# Allegro board 2522-db-vfbga86_vD.brd
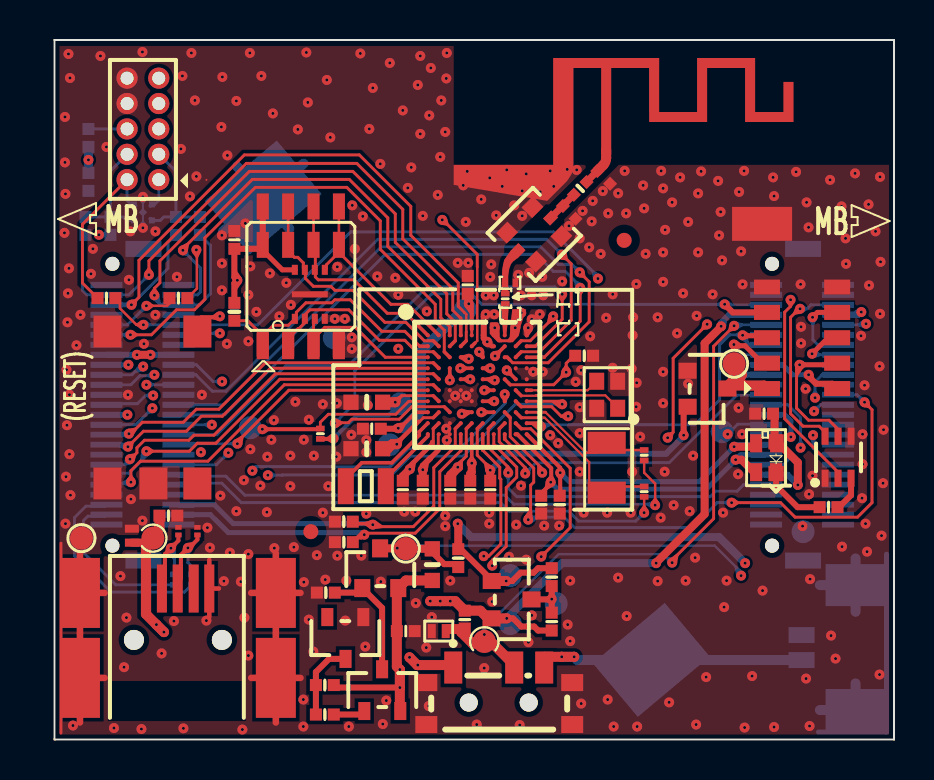
[diagram p0: board, top side]
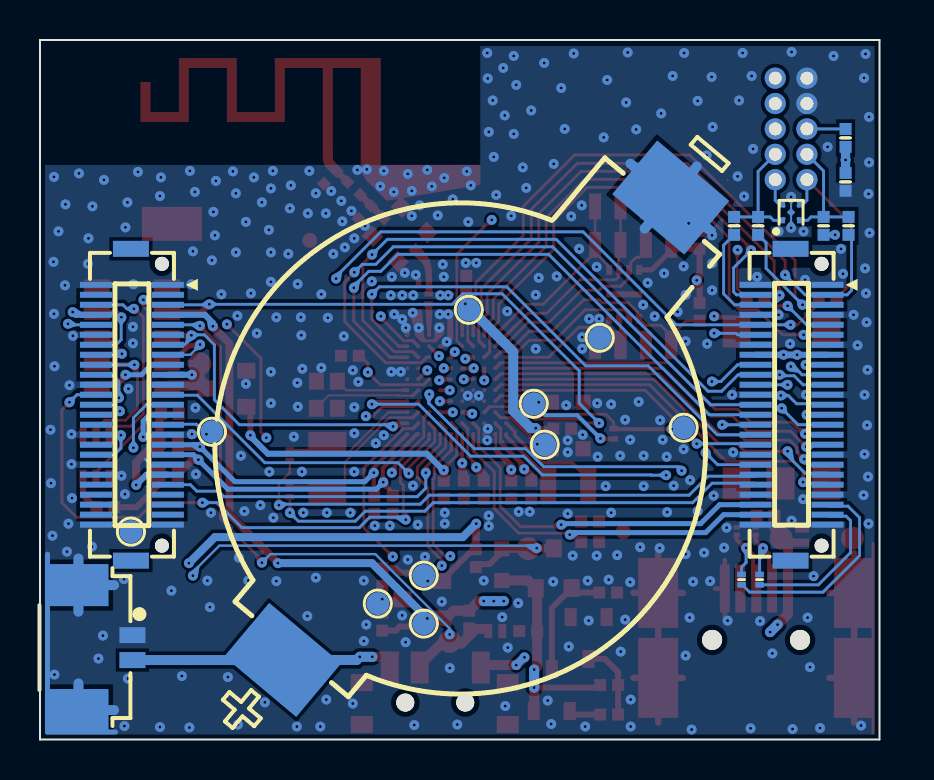
[diagram p1: board, bottom side, seen from below]

Outline 42 x 35 mm; copper layers: TOP, L2_INT1, L3_INT2, BOTTOM. Coordinates in mm from the lower left corner of the outline.
Outline path: 0,35 0,0 42,0 42,35 0,35

## Design rules (mm)
net group USB: nets USBM USBP

## Placement (name value [footprint] x y rotation side)
ANT1  Ant_ifa-ss2r  [ANT_IFA-SS2R]  26.6 28.5 0 top
BT1  NP  [BU2032SM-BT-GTR]  20.15 15.55 220 bottom
C1  100nF  [C1005]  9 25 270 top
C2  4.7uF  [C1005]  19.8 12.5 90 top
C3  4.7uF  [C1005]  21.8 12.5 90 top
C4  22uF  [C1608]  15.62 14.55 0 top
C5  22uF  [C1608]  15.62 16.88 0 top
C6  10uF  [C1005]  15.88 15.55 0 top
C7  10uF  [C1005]  17.43 12.5 90 top
C8  4.7uF  [C1005]  20.8 12.5 90 top
C9  10uF  [C1005]  20.68 22.75 270 top
C11  4.7uF  [C1005]  35.5 16.3 0 top
C12  4.7uF  [C1005]  18.43 12.5 90 top
C13  2.2UF  [C1005]  17.57 5.42 180 top
C14  NP  [C1005]  5.7 11.2 180 top
D1  NP  [LTST-C19HE1WT]  35.6 14.1 90 top
D2  ACPDQC24VE-HF  [D1005]  3.88 10.2 90 top
D3  D5V0P4B5LP08-7  [TVS_D5V0P4B5LP08]  4.42 26.38 90 bottom
D4  BZX84C5V6-7-F  [SOT95P290X130-3N]  14.55 5.12 180 top
D5  BAT54CLT1G  [SOT95P240X100-3N]  22.82 7 270 top
D6  ACPDQC24VE-HF  [D1005]  19.23 5.42 180 top
D7  ESD206B102ELSE6327XTSA1-EOL  [TLSP-2-3]  7.15 10.43 90 top
D8  ESD206B102ELSE6327XTSA1-EOL  [TLSP-2-3]  6.2 10.43 90 top
D9  150060RS75000  [LED1608]  36.1 14.1 90 top
J1  10132798-052100LF  [10132798-05XX]  4.4 16.75 270 bottom
J2  10132798-052100LF  [10132798-05XX]  37.4 16.75 270 bottom
J3  67503-1020  [USB_67503-1020]  6.17 4.92 270 top
J4  Jtag_Conn_2x5_1mm27  [PAD_127_2X05_OTH]  4.42 30.55 90 top
J5  NP  [SKT_623310235321-NP]  37.4 20.1 90 top
J6  53261-0271  [MOLEX_532610271]  39.33 4.62 270 bottom
J7  MM8130-2600RB8  [RF_CON_MM8130-2600]  24 25.27 135 top
K2  FSM2JELGELTR  [SKHMQLE010]  4.95 16.61 270 top
L1  470nH  [L2016]  15.57 12.68 180 top
NOREF  -  []  0 35 0 top
NOREF#2  -  []  0 0 90 top
Q1  DMN63D8LDWQ-7  [SOT65P210X110-6N]  39.2 14.12 90 top
Q2  DMP3099L-7  [SOT915P290X110-3N]  16.3 8.47 0 top
Q4  DMP3099L-7  [SOT915P290X110-3N]  32.58 17.55 270 top
Q5  BC807-25_215  [SOT95P290X130-3N]  16.4 2.42 0 top
R1  0.1  [R1005]  20.52 6 270 top
R2  0.1  [R1005]  20.2 9.07 270 top
R3  0  [R1005]  6.2 22.09 0 top
R4  0  [R1005]  2.6 22.09 180 top
R5  NP  [R0603MM]  29.5 12.4 90 top
R6  NP  [R0603MM]  29.5 14.22 90 top
R7  NP  [R0603MM]  6.9 8 270 bottom
R8  NP  [R0603MM]  6 8 270 bottom
R9  NP  [R1608]  18.9 8.75 270 top
R10  0  [R1005]  2.8 25.7 90 bottom
R11  0  [R1005]  7.28 25.7 270 bottom
R12  NP  [R1005]  1.55 25.7 90 bottom
R13  NP  [R1005]  6.08 25.7 270 bottom
R14  NP  [R1005]  24.88 8.12 90 top
R15  10.0k  [R1005]  9 21.4 90 top
R16  NP  [R1005]  24.88 5.9 270 top
R17  560  [R1005]  38.73 11.62 180 top
R18  10.0k  [R1005]  13.57 7.35 0 top
R20  4.7k  [R1005]  1.7 30.1 90 bottom
R21  470k  [R1005]  1.7 27.9 90 bottom
R22  2.2k  [R1005]  13.53 2.73 0 top
R23  4.7k  [R1005]  13.53 1.25 180 top
R24  10.0k  [R1005]  26.5 19.2 180 top
R25  0  [R1005]  25.27 11.75 90 top
R26  0  [R1005]  24.35 11.75 90 top
R27  NP  [R1005]  14.47 9.88 180 top
R28  NP  [R1005]  14.47 10.9 180 top
R29  0  [R0603MM]  13.3 15.3 270 top
SW1  -  [SW_MA12R_TR]  22.15 1.8 0 top
TP1  V18  [TP_1150U]  9.8 15.6 180 bottom
TP3  VBUS  [TP_1150U]  17.57 9.55 0 top
TP4  V30x  [TP_1150U]  34 18.8 0 top
TP5  V18  [TP_1150U]  16.75 14.75 180 bottom
TP6  V18P  [TP_1150U]  17.3 16.8 180 bottom
TP7  V14  [TP_1150U]  20.55 21.5 180 bottom
TP8  V12  [TP_1150U]  33.4 15.4 180 bottom
TP9  VBAT  [TP_1150U]  21.5 4.91 0 top
TP10  FIDUCIAL  [FID_750]  28.5 24.98 0 top
TP11  FIDUCIAL  [FID_750]  12.82 10.4 0 top
TP12  GND  [TP_1150U]  14 20.1 180 bottom
TP13  GND  [TP_1150U]  1.35 10.07 0 top
TP14  GND  [TP_1150U]  37.45 10.4 180 bottom
TP15  VBUS_IN  [TP_1150U]  4.92 10.07 0 top
TP16  VBATn  [TP_1150U]  22.8 5.8 180 bottom
TP17  VBUSn  [TP_1150U]  22.8 8.2 180 bottom
TP18  VLED  [TP_1150U]  25.1 6.8 180 bottom
TP19  -  [ESD_WARNING_LABEL]  7.6 28 0 top
TP20  TP_RCW-0C  [TP3216]  35.4 25.8 0 top
U1  DA14695-VFBGA86  [BGA86_P055_6X6MM]  21.15 17.75 0 top
U2  MX25U3235FM2I-10G  [SOIC127P790X195-8N]  12.32 23.18 90 top
U2X  NP  [SON50P200X300X55-9M]  12.78 22.27 90 top
U2Y  NP  [SOIC127P600X175-8N]  12.32 22.27 90 top
Y1  32.0000MHZ  [XTAL4P20X16]  27.65 17.25 90 top
Y2  32.768KHZ  [XTAL_ABS07]  27.62 13.6 270 top
Z1  6.8nH  [Z1005]  26.3 27.57 45 top
Z2  2.0pF  [Z1005]  25.75 26.38 135 top
Z3  0.60pF  [Z1005]  27.48 28.12 135 top
Z4  0  [R0603MM]  22.55 22.05 90 top
Z5  NP  [C0603MM]  22.8 21.3 180 top
Z6  NP  [C0603MM]  22.8 22.85 180 top

## Library data of the parts
ANT1 = ANTENNA_IFA
BT1 = BATTERY_2pin: User Part Number: NP.BU2032SM-BT-GTR
C1-C9 C11-C14 Z2 Z3 Z5 Z6 = C
D1 = LED_SIDE_RGB
D2 D6-D8 = TVS_Protection
D3 = D5V0P4B5LP08-7
D4 = DIODE ZENER31
D5 = BAT54CL
D9 = LED
J1 J2 = CONN SOCKET 25x2/SM
J3 = USBminiB_6750310
J4 = Jtag_Conn_2x5_1mm27
J5 = CONN SOCKET 05X2
J6 = HDR_1x2pin_1.25mm
J7 = MM8130-2600
K2 = SKHMQLE010
L1 Z1 = INDUCTOR
Q1 = DMN63D8LDW
Q2 Q4 = MOSFET-P_DMP3130L7
Q5 = Trans.PNP
R1-R18 R20-R29 Z4 = R
SW1 = SW_MA12R_TR
TP1 TP3-TP18 = TESTPOINT
TP19 = ESD_WARNING_LABEL
TP20 = TestPoint_Mech
U1 = 69x_bga86
U2 = MX25U3235FM2I-10G
U2X = MX25R2035FZUIL0: Tolerance: TOL.
U2Y = MX25R2035FM1IH0
Y1 = xtal_4pin: User Part Number: XRCGB32M000F1H00R0
Y2 = CRYSTAL

## Footprints (pads in the part's own frame, mm; a bottom-side part is the same pattern mirrored in y, then rotated)
10132798-05XX
  rect 0.8x1.8 smd: (-7.8,-0.05) (7.8,-0.05)
  round 0.7 hole 0.7 unplated: (-7.05,1.5) (7.05,1.5)
  rect 0.3x1.6 smd: 1(-6,1.8) 2(-6,-1.8) 3(-5.5,1.8) 4(-5.5,-1.8) 5(-5,1.8) 6(-5,-1.8) 7(-4.5,1.8) 8(-4.5,-1.8) 9(-4,1.8) 10(-4,-1.8) 11(-3.5,1.8) 12(-3.5,-1.8) 13(-3,1.8) 14(-3,-1.8) 15(-2.5,1.8) 16(-2.5,-1.8) 17(-2,1.8) 18(-2,-1.8) 19(-1.5,1.8) 20(-1.5,-1.8) 21(-1,1.8) 22(-1,-1.8) 23(-0.5,1.8) 24(-0.5,-1.8) 25(0,1.8) 26(0,-1.8) 27(0.5,1.8) 28(0.5,-1.8) 29(1,1.8) 30(1,-1.8) 31(1.5,1.8) 32(1.5,-1.8) 33(2,1.8) 34(2,-1.8) 35(2.5,1.8) 36(2.5,-1.8) 37(3,1.8) 38(3,-1.8) 39(3.5,1.8) 40(3.5,-1.8) 41(4,1.8) 42(4,-1.8) 43(4.5,1.8) 44(4.5,-1.8) 45(5,1.8) 46(5,-1.8) 47(5.5,1.8) 48(5.5,-1.8) 49(6,1.8) 50(6,-1.8)
ANT_IFA-SS2R
  round 0.1 smd: 1(1,1) 2(-1.15,0)
BGA86_P055_6X6MM
  round 0.205 smd: A1(-2.475,2.475) A2(-1.925,2.475) A3(-1.375,2.475) A4(-0.825,2.475) A5(-0.275,2.475) A6(0.275,2.475) A7(0.825,2.475) A8(1.375,2.475) A9(1.925,2.475) A10(2.475,2.475) B1(-2.475,1.925) B2(-1.925,1.925) B3(-1.375,1.925) B4(-0.825,1.925) B5(-0.275,1.925) B7(0.825,1.925) B8(1.375,1.925) B9(1.925,1.925) B10(2.475,1.925) C1(-2.475,1.375) C2(-1.925,1.375) C3(-1.375,1.375) C4(-0.825,1.375) C6(0.275,1.375) C8(1.375,1.375) C9(1.925,1.375) C10(2.475,1.375) D1(-2.475,0.825) D2(-1.925,0.825) D3(-1.375,0.825) D5(-0.275,0.825) D6(0.275,0.825) D9(1.925,0.825) D10(2.475,0.825) E1(-2.475,0.275) E2(-1.925,0.275) E4(-0.825,0.275) E6(0.275,0.275) E8(1.375,0.275) E9(1.925,0.275) E10(2.475,0.275) F1(-2.475,-0.275) F2(-1.925,-0.275) F3(-1.375,-0.275) F4(-0.825,-0.275) F5(-0.275,-0.275) F7(0.825,-0.275) F9(1.925,-0.275) F10(2.475,-0.275) G1(-2.475,-0.825) G2(-1.925,-0.825) G3(-1.375,-0.825) G4(-0.825,-0.825) G5(-0.275,-0.825) G6(0.275,-0.825) G8(1.375,-0.825) G9(1.925,-0.825) G10(2.475,-0.825) H1(-2.475,-1.375) H2(-1.925,-1.375) H3(-1.375,-1.375) H5(-0.275,-1.375) H7(0.825,-1.375) H8(1.375,-1.375) H9(1.925,-1.375) H10(2.475,-1.375) J1(-2.475,-1.925) J2(-1.925,-1.925) J3(-1.375,-1.925) J4(-0.825,-1.925) J5(-0.275,-1.925) J6(0.275,-1.925) J7(0.825,-1.925) J8(1.375,-1.925) J9(1.925,-1.925) J10(2.475,-1.925) K1(-2.475,-2.475) K2(-1.925,-2.475) K3(-1.375,-2.475) K4(-0.825,-2.475) K5(-0.275,-2.475) K6(0.275,-2.475) K7(0.825,-2.475) K8(1.375,-2.475) K9(1.925,-2.475) K10(2.475,-2.475)
BU2032SM-BT-GTR
  rect 4.7x3.5 smd: 1(0,-15.1) 2(0,15.1)
C0603MM
  rect 0.28x0.43 smd: 1(-0.26,0) 2(0.26,0)
C1005
  rect 0.599x0.599 smd: 1(-0.447,0) 2(0.447,0)
C1608
  rect 0.762x0.762 smd: 1(-0.792,0) 2(0.792,0)
D1005
  rect 0.4x0.7 smd: 1(-0.35,0) 2(0.35,0)
ESD_WARNING_LABEL
  round 0.1 smd: 1(0,0)
FID_750
  round 0.75 smd: 1(0,0)
L2016
  rect 0.8x1.8 smd: 1(-1,0) 2(1,0)
LED1608
  rect 0.762x0.762 smd: 1(-0.792,0) 2(0.792,0)
LTST-C19HE1WT
  rect 0.9x0.6 smd: 1(-0.725,-0.5) 2(-0.725,0.5) 3(0.725,0.5) 4(0.725,-0.5)
MOLEX_532610271
  rect 0.8x1.3 smd: 1(-0.6,1.95) 2(0.65,1.95)
  rect 2.1x3 smd: 3(3.15,-0.75) 4(-3.1,-0.75)
PAD_127_2X05_OTH
  round 1.06 hole 0.65: 1(-2.54,-0.792) 2(-2.54,0.792) 3(-1.27,-0.792) 4(-1.27,0.792) 5(0,-0.792) 6(0,0.792) 7(1.27,-0.792) 8(1.27,0.792) 9(2.54,-0.792) 10(2.54,0.792)
R0603MM
  rect 0.28x0.43 smd: 1(-0.26,0) 2(0.26,0)
R1005
  rect 0.599x0.599 smd: 1(-0.447,0) 2(0.447,0)
R1608
  rect 0.762x0.762 smd: 1(-0.792,0) 2(0.792,0)
RF_CON_MM8130-2600
  rect 0.5x0.58 smd: 1(0,1.16) 2(0,-1.16)
  rect 0.75x0.8 smd: 3(-1.025,0.9) 4(1.025,0.9) 5(1.025,-0.9) 6(-1.025,-0.9)
SKHMQLE010
  rect 1.6x1.4 smd: 1(-3.8,2.2) 2(3.8,2.2) 3(-3.8,-2.3) 4(3.8,-2.3) 5(3.8,0)
SKT_623310235321-NP
  rect 0.75x1.3 smd: 1(-2.54,1.755) 2(-2.54,-1.755) 3(-1.27,1.755) 4(-1.27,-1.755) 5(0,1.755) 6(0,-1.755) 7(1.27,1.755) 8(1.27,-1.755) 9(2.54,1.755) 10(2.54,-1.755)
SOIC127P600X175-8N
  rect 1.3x0.6 smd: 1(-2.475,1.905) 2(-2.475,0.635) 3(-2.475,-0.635) 4(-2.475,-1.905) 5(2.475,-1.905) 6(2.475,-0.635) 7(2.475,0.635) 8(2.475,1.905)
SOIC127P790X195-8N
  rect 1.3x0.6 smd: 1(-3.495,1.905) 2(-3.495,0.635) 3(-3.495,-0.635) 4(-3.495,-1.905) 5(3.495,-1.905) 6(3.495,-0.635) 7(3.495,0.635) 8(3.495,1.905)
SON50P200X300X55-9M
  rect 0.5x0.3 smd: 1(-1.225,0.75) 2(-1.225,0.25) 3(-1.225,-0.25) 4(-1.225,-0.75) 5(1.225,-0.75) 6(1.225,-0.25) 7(1.225,0.25) 8(1.225,0.75)
  rect 0.3x1.8 smd: 9(0,0)
SOT65P210X110-6N
  rect 0.85x0.35 smd: 1(-1.05,0.65) 2(-1.05,0) 3(-1.05,-0.65) 4(1.05,-0.65) 5(1.05,0) 6(1.05,0.65)
SOT95P240X100-3N
  rect 0.8x0.9 smd: 1(-0.93,-0.95) 2(0.94,-0.96) 3(-0.01,1.04)
SOT95P290X130-3N
  rect 0.6x0.9 smd: 1(-0.9,-1) 2(0.9,-1) 3(-0.01,1.09)
SOT915P290X110-3N
  rect 0.8x0.9 smd: 1(-0.9,-0.9) 2(0.9,-0.9) 3(-0.01,1.09)
SW_MA12R_TR
  round 0.9 hole 0.9 unplated: (-1.425,0.05) (1.575,0.05)
  rect 0.9x1.6 smd: 1(-2.2,1.8) 2(0.85,1.8) 3(2.35,1.8)
  rect 1.1x0.85 smd: 6(3.75,1.05) 7(3.75,-1.05) 8(-3.55,1.05) 9(-3.55,-1.05)
TLSP-2-3
  rect 0.24x0.32 smd: 1(-0.19,0) 2(0.19,0)
TP3216
  rect 3x1.7 smd: 1(0,0)
TP_1150U
  round 1.15 smd: 1(0,0)
TVS_D5V0P4B5LP08
  custom 0.3x0.3 smd: 1(-0.4,0.45) 2(0.4,0.45) 3(0.4,-0.45) 4(-0.4,-0.45)
  rect 0.3x0.3 smd rot 135: 5(0,0)
USB_67503-1020
  round 1 hole 1 unplated: (-0.059,2.2) (-0.059,-2.2)
  rect 2.4x0.5 smd: 1(-2.63,-1.59) 2(-2.63,-0.8) 3(-2.63,-0.01) 4(-2.63,0.79) 5(-2.63,1.57)
  rect 3.5x2 smd: 6(-2.411,4.9) 9(-2.411,-4.9)
  rect 4x2 smd: 7(1.841,4.9) 8(1.841,-4.9)
XTAL4P20X16
  rect 0.85x0.75 smd: 1(-0.675,-0.525) 2(0.675,-0.525) 3(0.675,0.525) 4(-0.675,0.525)
XTAL_ABS07
  rect 1.1x1.9 smd: 1(-1.25,0) 2(1.25,0)
Z1005
  rect 0.5x0.5 smd: 1(-0.45,0) 2(0.45,0)

## Nets
GND: ANT1.2(GNDANT) BT1.2(NEG) C1.1 C2.1 C3.1 C4.1 C5.1 C6.1 C7.1 C8.1 C9.1 C11.1 C12.1 C13.1 C14.1 D2.2(ANODE) D3.5 D4.1(ANODE) D6.2(ANODE) D7.2(ANODE) D8.2(ANODE) J1.1 J1.2(26) J1.7(4) J1.8(29) J1.13(7) J1.14(32) J1.23(12) J1.24(37) J1.35(18) J1.36(43) J1.43(22) J1.44(47) J1.49(25) J1.50 J2.1 J2.2(26) J2.11(6) J2.12(31) J2.21(11) J2.22(36) J2.31(16) J2.32(41) J2.37(19) J2.38(44) J2.49(25) J2.50 J3.5(GND) J3.6(GND1) J3.7(GND2) J3.8(GND3) J3.9(GND4) J4.8(GND1) J4.10(GND2) J5.9 J5.10 J6.1 J6.3 J6.4 J7.3 J7.4 J7.5 J7.6 K2.3 K2.4 K2.5 Q1.1(S1) Q1.4(S1) Q4.1(G) R18.1 R21.1 R24.1 R25.1 R26.1 R27.2 R28.2 SW1.6 SW1.7 SW1.8 SW1.9 TP12.1 TP13.1 TP14.1 TP19.1 TP20.1 U1.A6(PSUB) U1.A7(RFIOM) U1.A9(RFIOM2) U1.A10(PSUB_RF) U1.B7(ESDN) U1.D9(GND_RF2) U1.D10(GND_RF1) U1.E10(XTAL32MGND) U1.F3(VSSIOQ) U1.F4(VSSIO3) U1.F5(AVS1) U1.G3(VSSIO1) U1.G4(VSSIO2) U1.G5(AVS2) U1.J3(GND_HDR) U1.K3(GND_BUCK) U2.4(GND) U2X.4(GND) U2X.9(PAD) U2Y.4(GND) Y1.2(GND2) Y1.4(GND4) Z2.1 Z3.1 Z5.1 Z6.1
V12: C7.2 J2.29(15) TP8.1 U1.J2(V12)
V14: C6.2 C9.2 J2.25(13) TP7.1 U1.A5(VSUP_RF) U1.H1(V14)
V18: C4.2 J2.27(14) TP5.1 U1.H2(V18)
V18F: C1.2 R15.2 R29.1 TP1.1 U1.G1(V18F) U2.8(VCC) U2X.8(VCC) U2Y.8(VCC)
V18P: C5.2 J2.17(9) J5.2 R29.2 TP6.1 U1.G2(V18P)
V30: C3.2 Q4.2(S) U1.J6(V30)
V30X: J2.19(10) J5.1 Q4.3(D) TP4.1
VBAT: D6.1(CATHODE) J2.9(5) R1.2 SW1.2 TP9.1
VBAT_IN: J1.15(8) J1.16(33) J4.7(VDD) SW1.1
VBATN: C8.2 C12.2 D5.2(K) J2.7(4) R1.1 R16.2 TP16.1 U1.K2(VBAT2) U1.K5(VBAT1)
VBUS: J2.10(30) Q2.3(D) R2.2 R9.1 TP3.1
VBUS_IN: C13.2 C14.2 D2.1(CATHODE) J3.1 Q2.2(S) Q5.2(EMITTER) R9.2 R22.2 TP15.1
VBUSN: C2.2 D5.1(A) J2.8(29) R2.1 R14.2 TP17.1 U1.J5(VBUS)
HDRVM: J1.48(49) R27.1 U1.K4(HDRVM)
HDRVP: J1.46(48) R28.1 U1.J4(HDRVP)
J4_RESET: J4.6(RST) R20.2
LED1: D1.3 J2.33(17) R25.2 U1.K10(LED1)
LED2: D1.2 J2.35(18) R26.2 U1.K9(LED2)
P0_0: J1.31(16) U1.D2(QSPIR_D0/PG3_4/P0_0)
P0_1: J1.41(21) U1.F2(QSPIR_D1/PG4_2/P0_1)
P0_2: J1.34(42) U1.F1(QSPIR_D2/PG4_1/P0_2)
P0_3: J1.37(19) U1.E2(QSPIR_D3/PG3_2/P0_3)
P0_4: J1.39(20) U1.E1(QSPIR_CS/PG3_1/P0_4)
P0_5: J1.33(17) U1.D1(QSPIR_CLK/PG3_3/P0_5)
P0_6: J1.32(41) U1.B10(SD_ADC_GND/P0_6)
P0_7: J1.12(31) U1.B9(NTC_IN/P0_7)
P0_8: J1.10(30) R4.1 U1.D6(SDGP_ADC2/PG4_3/P0_8)
P0_9: J1.9(5) R3.1 U1.B5(SDGP_ADC3/PG4_4/P0_9)
P0_10: J1.4(27) R10.1 U1.A3(M33_SWDIO/P0_10)
P0_11: J1.6(28) R11.2 U1.B3(M33_SWCLK/P0_11)
P0_12: J1.3(2) R12.1 U1.A4(M0_SWDIO/P0_12)
P0_13: J1.5(3) R13.2 U1.B4(M0_SWCLK/P0_13)
P0_14X: J1.45(23) R7.2
P0_15X: J1.47(24) R8.2
P0_16: J1.20(35) U1.C9(SD_ADC_REF/P0_16)
P0_17: J1.26(38) U1.C8(PG2_1/P0_17)
P0_18: J1.22(36) U1.G10(PG2_2/P0_18)
P0_19: J1.19(10) U1.C6(PG2_3/P0_19)
P0_20: J1.17(9) U1.G8(PG2_4/P0_20)
P0_21: J1.21(11) U1.C4(PG1_3/P0_21)
P0_22X: J1.42(46) R5.1
P0_23X: J1.40(45) R6.1
P0_24: J1.27(14) U1.J9(PG1_4/P0_24)
P0_25: J1.38(44) U1.H8(SDGP_ADC1/P0_25)
P0_26: J1.18(34) U1.H7(PG0_1/P0_26)
P0_27: J1.28(39) U1.C10(PG0_2/P0_27)
P0_28: J1.30(40) U1.H5(PG0_3/P0_28)
P0_29: J1.25(13) U1.D5(PG0_4/P0_29)
P0_30: J1.11(6) U1.C3(PG1_1/P0_30)
P0_31: J1.29(15) U1.D3(PG1_2/P0_31)
P1_0: J2.15(8) J5.3 U1.E9(NTC_SUP/P1_0)
P1_1: J2.18(34) J5.4 Q1.5(G1) R24.2 U1.E8(PWM1/P1_1)
P1_2: J2.13(7) J5.5 U1.J10(P1_2)
P1_3: J2.16(33) J5.6 U1.E6(P1_3)
P1_4: J2.5(3) J5.7 U1.H3(P1_4)
P1_5: J2.14(32) J5.8 U1.E4(P1_5)
P1_6: J2.23(12) U1.J8(PWM2/ATM/P1_6)
P1_7: J2.20(35) U1.F7(P1_7)
P1_8: J2.41(21) U1.J7(P1_8)
P1_9: J2.26(38) U1.G9(SDGP_ADC0/ATM/P1_9)
P1_10: J2.24(37) U1.K8(ATM/P1_10)
P1_11: J2.36(43) U1.G6(P1_11)
QSPIF_CLK: U1.A1(QSPIF_CLK) U2.6(SCK) U2X.6(SCLK) U2Y.6(SCK)
QSPIF_CS: R15.1 U1.B1(QSPIF_CS) U2.1(C\S\) U2X.1(\\C\S) U2Y.1(C\S\)
QSPIF_D0: U1.A2(QSPIF_D0) U2.5(SI/SIO0) U2X.5(SI/SIO0) U2Y.5(SI/SIO0)
QSPIF_D1: U1.C2(QSPIF_D1) U2.2(SO/SIO1) U2X.2(SO/SIO1) U2Y.2(SO/SIO1)
QSPIF_D2: U1.C1(QSPIF_D2) U2.3(W\P\/SIO2) U2X.3(\\W\P) U2Y.3(W\P\/SIO2)
QSPIF_D3: U1.B2(QSPIF_D3) U2.7(R\S\T\/HOLD/SIO3) U2X.7(\\R\S\T/SIO3) U2Y.7(R\S\T\/SIO3)
RED: D1.1 D9.1(CATHODE) R17.2
RF1: U1.A8(RFIOP) Z4.1 Z5.2
RF2: J7.1 Z4.2 Z6.2
RF3: J7.2 Z1.1 Z2.2
RSTN: J2.6(28) K2.1 Q1.6(D1) U1.B8(RESETN)
SWCLK: D3.1 J4.3(CLK) R11.1 R13.1
SWDIO: D3.4 J4.4(DIO) R10.2 R12.2
URX: D3.3 J4.2(URX) R4.2
USBM: D8.1(CATHODE) J3.2 R8.1 U1.K7(USBM/P0_15)
USBP: D7.1(CATHODE) J3.3 R7.1 U1.K6(USBP/P0_14)
UTX: D3.2 J4.1(UTX) R3.2
VLED: C11.2 D1.4 D5.3(J) D9.2(ANODE) J2.39(20) R14.1 R16.1 TP18.1
N01591: L1.2 U1.J1(LY)
N17003199: L1.1 U1.K1(LX)
N17049446: U1.F10(XTAL32MM) Y1.3
N17049492: U1.F9(XTAL32MP) Y1.1
N17049864: R5.2 U1.H9(XTAL32KM/P0_22) Y2.2
N17100902: R6.2 U1.H10(XTAL32KP/P0_23) Y2.1
N17115569: BT1.1(POS) J6.2 SW1.3
N17176123: Q1.3(D1) R17.1
N17178360: Q2.1(G) Q5.3(COLLECTOR) R18.2
N17178368: D4.3(CATHODE) R22.1 R23.2
N17180366: Q5.1(BASE) R23.1
N17181323: Q1.2(G1) R20.1 R21.2
N17391632: ANT1.1(FEED) Z1.2 Z3.2

Pads without a net: D4 2; J2 3 4 28 30 34 40 42 43 44 45 46 47 48; J3 4; J4 5 9; K2 2; TP10 1; TP11 1

## Via types
v1: diameter 0.5, hole 0.15, TOP to BOTTOM, 499 vias

## Routing (per net, layer and track width the routed paths; a pad name or vN(x,y) marks a point on that pad's centre or on a via; arc(x,y) is an arc through that point)
GND: length 73.5
  TOP w0.125: U2Y.4 U2.4
  TOP w0.145: 21.48,20.07 21.43,20.12 U1.A6 ; 21.98,20.23 22.25,19.95 22.8,19.95 U1.A9 ; 0.33,9.82 0.33,0.33
  TOP w0.2: v1(21.65,19.9) 21.88,19.68 21.98,19.68 ; U1.A10 23.62,20.52 v1(23.7,20.6)
  TOP w0.225: J3.5 8.23,7.55 ; J3.5 7.75,8.99 ; J3.5 7.75,6.12
  TOP w0.3: v1(21.57,21.27) 21.48,21.18 21.48,20.07 v1(21.65,19.9)
  TOP w0.325: 1.27,5.35 1.27,7.34 ; 1.27,7.34 2.51,7.34 ; 1.27,7.34 1.27,9.32 ; J3.6 12.31,7.34 ; J3.6 11.07,9.32 ; J3.6 11.07,5.35 ; J3.6 9.84,7.34 ; J3.7 12.31,3.08 ; J3.7 9.84,3.08 ; J3.7 11.07,0.85 ; J3.7 11.07,5.32 ; 1.27,3.08 2.51,3.08 ; 1.27,3.08 1.27,5.32 ; 1.27,3.08 1.27,0.85
  L3_INT2 w0.11: 21.7,19.52 21.58,19.05
  BOTTOM w0.1: v1(4.42,25.6) D3.5 v1(4.42,27.15)
  BOTTOM w0.145: 36.73,14.03 36.45,13.75 J2.37
  BOTTOM w0.25: 38.23,0.38 41.62,0.38 41.62,9.28
  BOTTOM w0.5: 38.29,1.48 J6.3 40.08,2.81 ; 40.08,6.39 J6.4 ; J6.4 38.29,7.72 ; J6.4 40.08,9.06 ; 8.43,25.43 10.44,27.12 ; 10.44,27.12 12.46,28.81 ; 10.44,27.12 9.14,28.67 ; 10.44,27.12 11.75,25.56
  vias: v1(0.53,31.15) v1(0.53,28.88) v1(0.5,25.35) v1(0.55,27.3) v1(0.6,18.5) v1(0.62,15.72) v1(0.57,13.15) v1(0.55,10.8) v1(0.7,34.3) v1(0.72,23.57) v1(0.68,22.32) v1(0.65,20.88) v1(0.78,33.1) v1(0.75,17.25) v1(0.75,14.28) v1(0.8,12.22) v1(0.93,0.7) v1(1.1,19.73) v1(1.3,21.25) v1(1.82,23.3) v1(1.93,24.55) v1(2.3,34.2) v1(2.6,29.65) v1(2.98,0.57) v1(3.3,8.18) v1(3.48,3.62) v1(3.6,6.1) v1(3.73,23) v1(3.67,17.25) v1(3.8,25.43) v1(3.83,12.03) v1(4.35,0.53) v1(4.4,34.4) v1(4.4,10.95) v1(4.47,19.8) v1(5.05,25.43) v1(5.05,21.25) v1(5.36,4.31) v1(5.97,5.92) v1(6.12,23.15) v1(6.33,29.55) v1(6.4,33.2) v1(6.45,0.56) v1(6.85,34.35) v1(6.78,27.18) v1(7.03,31.98) v1(7.1,28.18) v1(7.33,14.38) v1(7.38,17.25) v1(7.6,5.95) v1(7.65,10.6) v1(7.78,9.6) v1(8.35,30.65) v1(8.3,12.2) v1(8.4,33.15) v1(8.38,25.23) v1(8.38,23.82) v1(8.38,22.48) v1(8.47,7.92) v1(8.62,19.8) v1(8.65,29.23) v1(8.78,9.35) v1(9.1,31.95) v1(9.1,11.43) v1(9.32,7.9) v1(9.4,0.5) v1(9.47,12.97) v1(9.5,6.1) v1(9.55,25.82) v1(9.7,22.25) v1(9.7,19.93) v1(9.7,9.28) v1(9.7,4.2) v1(9.78,34.35) v1(9.8,23.68) v1(9.8,14.53) v1(10.1,21.4) v1(10.35,33.2) v1(10.3,12.7) v1(10.62,11.38) v1(10.65,14.15) v1(10.78,23.32) v1(10.85,15) v1(10.93,31.32) v1(10.97,15.97) v1(11,9.57) v1(11.25,21.18) v1(11.6,22.85) v1(11.82,21.75) v1(11.8,14.2) v1(11.8,12.68) v1(11.97,9.62) v1(12.05,16.9) v1(12.18,30.52) v1(12.45,2) v1(12.45,0.65) v1(12.47,15) v1(12.47,7.88) v1(12.6,34.38) v1(12.68,31.88) v1(12.72,16) v1(12.72,6) v1(12.95,4.4) v1(12.97,14.2) v1(13.12,9.22) v1(13.43,16.77) v1(13.43,11.35) v1(13.62,33) v1(13.55,8) v1(13.7,12.68) v1(13.8,30.12) v1(14.03,21.05) v1(14.12,16.82) v1(14.1,14.15) v1(14.15,23.65) v1(14.15,9.2) v1(14.53,21.05) v1(14.6,7.95) v1(14.55,5.95) v1(14.72,0.65) v1(14.85,15.25) v1(14.9,26.73) v1(14.88,20.12) v1(14.88,19.55) v1(15.03,24.55) v1(15.3,34.33) v1(15.35,9.2) v1(15.43,26.18) v1(15.6,14.97) v1(15.6,14.38) v1(15.6,11.3) v1(15.55,4.65) v1(15.68,16.73) v1(15.75,30.55) v1(15.93,32.6) v1(16.15,23.18) v1(16.3,28.8) v1(16.32,7.9) v1(16.43,0.78) v1(16.6,1.95) v1(16.77,33.85) v1(17.05,23.1) v1(17.2,22.25) v1(17.2,19.55) v1(17.43,31.48) v1(17.5,11.4) v1(17.68,27.6) v1(17.85,28.62) v1(18.05,11.4) v1(18.07,6.83) v1(18.18,32.75) v1(18.3,34.2) v1(18.3,30.3) v1(18.43,26.2) v1(18.62,21.43) v1(18.6,4.6) v1(18.73,1.68) v1(18.82,33.6) v1(18.75,31.23) v1(18.88,6.12) v1(19.18,27.25) v1(19.3,29.15) v1(19.35,31.98) v1(19.62,34.35) v1(19.6,33.08) v1(19.55,30.4) v1(19.6,15.55) v1(19.62,14.97) v1(19.55,11.2) v1(19.55,10.68) v1(19.8,7.95) v1(20.05,17.2) v1(20.18,23.85) v1(20.45,27.73) v1(20.65,28.43) v1(20.57,25.9) v1(20.6,17.2) v1(20.7,23.85) v1(21.12,0.75) v1(21.35,27.02) v1(21.5,3.58) v1(21.57,22.23) v1(21.77,28.1) v1(21.8,23.15) v1(21.75,11.35) v1(21.75,10.8) v1(21.85,23.77) v1(21.9,6.9) v1(21.98,22.23) v1(22,21.27) v1(22.02,20.6) v1(22.1,26.23) v1(22.4,27.68) v1(22.62,28.5) v1(22.74,9.14) v1(23,26.73) v1(23.05,20.6) v1(23.1,10.75) v1(23.2,23.25) v1(23.32,22.23) v1(23.34,12.7) v1(23.27,0.72) v1(23.4,27.45) v1(23.4,26.2) v1(23.35,21.35) v1(23.6,28.3) v1(23.6,9) v1(23.71,4.87) v1(23.75,23.35) v1(23.88,22.23) v1(23.88,21.02) v1(23.95,18.4) v1(23.88,6.21) v1(24.3,27.4) v1(24.27,21.27) v1(24.4,23.15) v1(24.45,22.23) v1(24.43,18.4) v1(24.5,10.7) v1(24.8,28.45) v1(24.8,15.22) v1(24.98,27.68) v1(25.2,14.82) v1(25.25,10.7) v1(25.4,22.93) v1(25.65,28.52) v1(25.74,25.7) v1(25.68,5.75) v1(25.8,7.95) v1(25.8,4.92) v1(26.12,28.5) v1(26.07,17.9) v1(26.27,25.07) v1(26.27,16.62) v1(26.27,15.32) v1(26.27,13.4) v1(26.42,26.45) v1(26.35,18.48) v1(26.35,1.8) v1(26.48,11.35) v1(26.75,24.62) v1(26.8,20.18) v1(26.93,26.95) v1(26.88,25.93) v1(27.32,24.3) v1(27.43,27.44) v1(27.6,21.1) v1(27.65,11.35) v1(27.7,26.32) v1(27.68,2) v1(27.93,22.27) v1(27.93,18.6) v1(27.98,0.65) v1(28.2,27.33) v1(28.2,8.1) v1(28.52,28.45) v1(28.6,26.32) v1(28.62,6.17) v1(28.82,11.35) v1(28.95,21.12) v1(28.93,20.23) v1(28.88,18.55) v1(28.9,13.4) v1(29.11,22.79) v1(29.12,17.85) v1(29.1,16.65) v1(29.15,0.65) v1(29.3,15.15) v1(29.45,27.73) v1(29.5,26.57) v1(29.57,24.3) v1(30.18,21.12) v1(30.18,7.92) v1(30.32,11.1) v1(30.35,28.45) v1(30.45,27.57) v1(30.45,24.38) v1(30.45,22.9) v1(30.45,18.4) v1(30.45,16.82) v1(30.52,13.4) v1(30.55,25.5) v1(30.75,1.86) v1(30.9,26.88) v1(30.98,11.72) v1(31.15,20.32) v1(31.3,28.12) v1(31.45,22.32) v1(31.57,7.95) v1(31.7,25.9) v1(31.7,17.8) v1(31.77,11.43) v1(31.95,14.2) v1(32.05,9.1) v1(32.12,21.2) v1(32.1,0.75) v1(32.2,27.32) v1(32.2,24.38) v1(32.35,28.43) v1(32.6,3.12) v1(32.92,22.27) v1(33.2,27.95) v1(33.25,25.23) v1(33.33,26.4) v1(33.4,23.98) v1(33.45,11.35) v1(33.5,6.62) v1(33.62,7.95) v1(34.25,27.4) v1(34.23,16.6) v1(34.2,13.28) v1(34.35,24.43) v1(34.42,22.77) v1(34.4,15.28) v1(34.5,28.45) v1(34.52,0.6) v1(34.9,3.17) v1(35.42,7.45) v1(35.95,28.12) v1(36,27.19) v1(36,0.62) v1(37.1,28.4) v1(37.33,22.77) v1(37.35,20.65) v1(37.35,19.82) v1(37.42,10.68) v1(37.62,26.88) v1(37.58,17.55) v1(37.6,3.05) v1(37.73,25.62) v1(37.75,12.28) v1(37.8,8.03) v1(37.77,0.68) v1(37.92,13.2) v1(38.8,28) v1(38.85,5.2) v1(39.08,4.05) v1(39.38,26.68) v1(39.4,9.65) v1(39.58,25.07) v1(39.6,23.8) v1(40.05,28.32) v1(40.35,20.2) v1(40.42,15.28) v1(40.42,13.78) v1(40.4,12.07) v1(40.52,17.73) v1(40.58,10.8) v1(40.65,9.4) v1(40.73,26.77) v1(40.75,22.73) v1(41.08,25.43) v1(41.3,28.15) v1(41.33,23.9) v1(41.3,21.3) v1(41.27,18.68) v1(41.27,3.25) v1(41.38,10.2) v1(41.48,15.5) v1(41.45,12.82)
V12: length 23.5
  TOP w0.14: 18.9,14.87 18.95,14.92 18.95,15.55
  TOP w0.18: 18.95,15.55 U1.J2
  TOP w0.24: 17.77,13.68 18.9,14.8 18.9,14.87
  TOP w0.25: v1(17.77,13.53) 17.77,13.68
  TOP w0.4: v1(17.77,13.53) 17.43,13.18 C7.2
  L2_INT1 w0.125: v1(17.77,13.53) 17.77,13.38 18.88,12.28 28.98,12.28 29.48,12.78 31.17,12.78 v1(33.67,15.28)
  BOTTOM w0.145: J2.29 35.58,15.78 34.17,15.78 v1(33.67,15.28)
V14: length 43.4
  TOP w0.14: 20.88,20.53 U1.A5
  TOP w0.18: 18.68,16.38 18.08,16.38 17.28,15.57 v1(17.2,15.57)
  TOP w0.2: v1(20.73,21.8) 20.88,21.65 20.88,20.53
  TOP w0.3: v1(20.73,21.8) 20.68,21.85 C9.2 ; v1(17.2,15.57) 17.18,15.55 C6.2
  L2_INT1 w0.125: v1(17.2,15.57) 17.15,15.57 16.7,15.12 16.7,11.55 18,10.25 32.98,10.25 v1(37.33,14.6)